# EAGLE board RedBoard-Panel (EAGLE 9.6.2), part 4 of 6
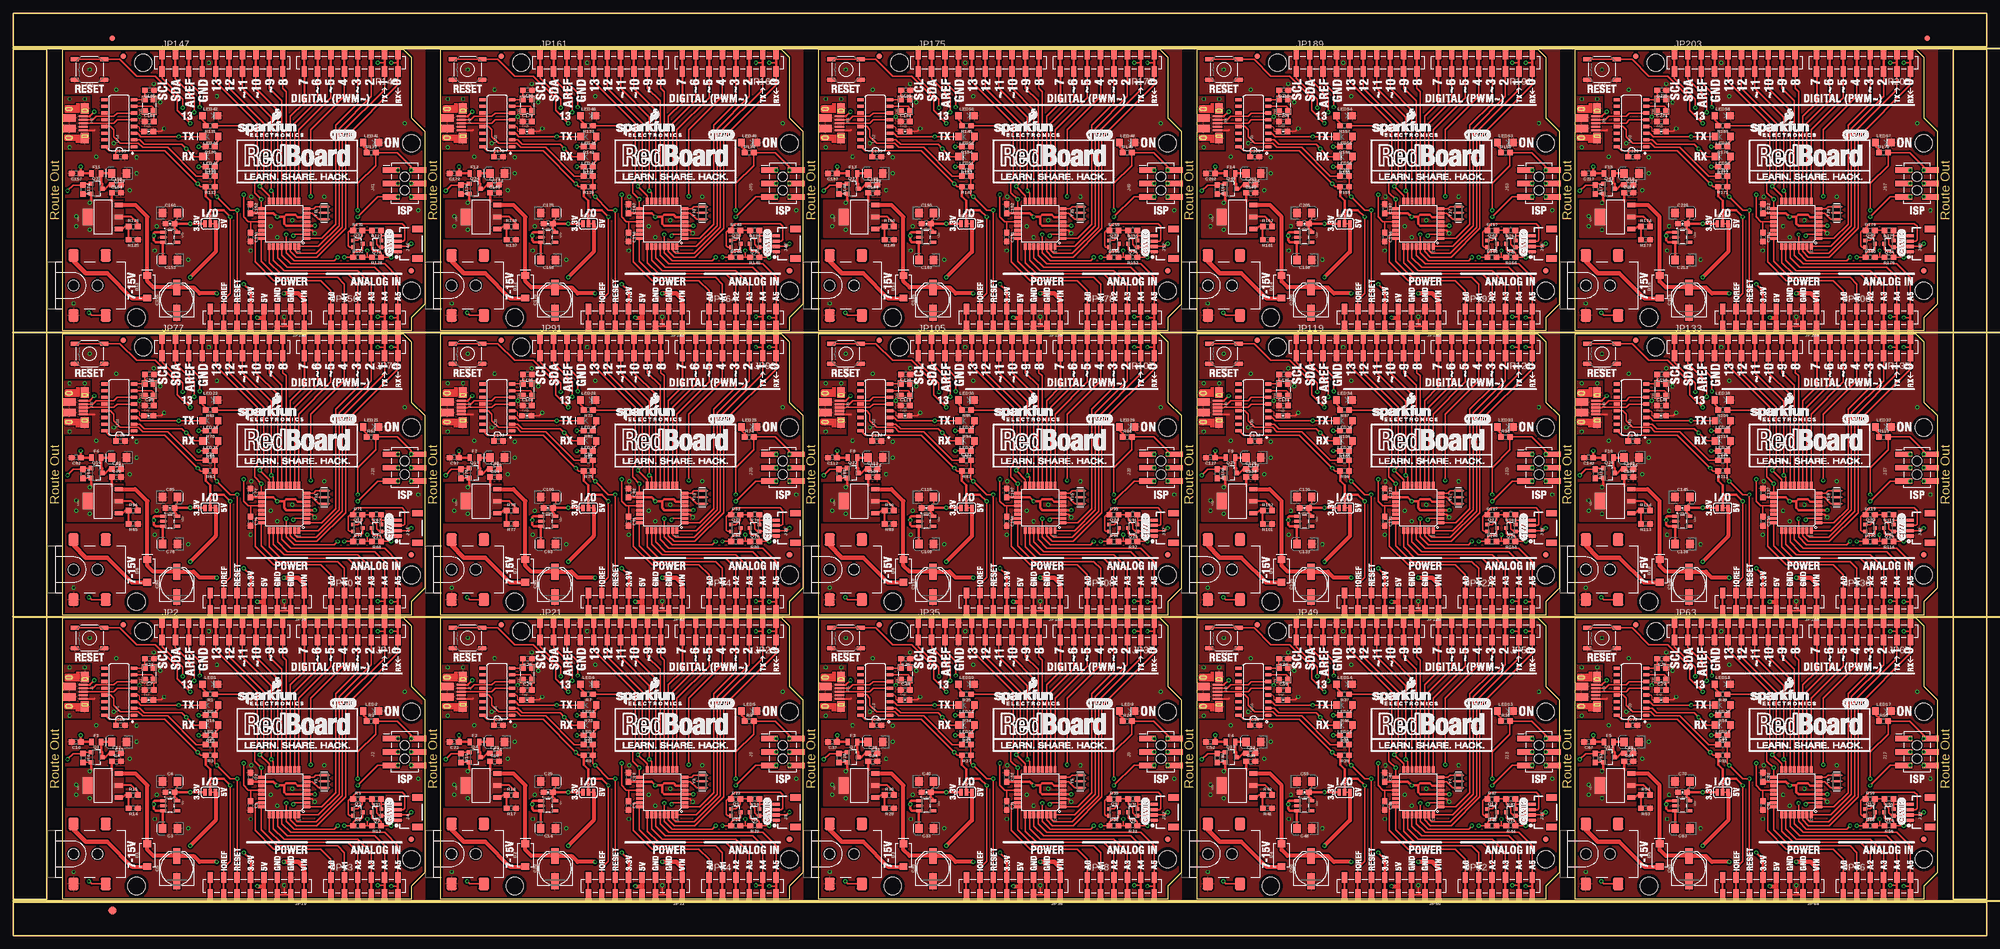
[diagram p0: board, top side]
## Tracks (layer width: path | path; a pad name or v marks a point on that pad's centre or on a via) (continued)
GND7  (via drill 0.38, 0.38 pad 0.51) (continued)
  other vias: 157.73,110.24 217.42,100.08 193.29,78.49 180.34,111.51 196.09,81.66 202.18,86.11 188.34,86.11 154.69,65.91 181.86,105.16 219.96,83.57 170.43,80.52 170.05,75.95 218.69,86.11 159,93.73 166.62,90.55 166.62,93.6 165.35,87.38 162.31,96.27 162.81,106.43 176.4,74.17 188.21,75.95 192.02,80.52 169.9,107.49 171.09,104.06 167.18,101.32
  pour Top (isolate 0.305, rank 2): 152.65,114.05 221.23,114.05 221.23,60.71 152.65,60.71
  pour Bottom (isolate 0.305, rank 2): 152.65,114.05 221.23,114.05 221.23,60.71 152.65,60.71
GND8  (via drill 0.38, 0.38 pad 0.51)
  Top 0.254: 267.46,61.6 266.7,61.6 266.51,61.79 266.19,62.1 v266.19,63.37 | v243.46,99.06 242.9,98.5 C132.2
  Top 0.305: U34.3 271.46,79.83 v272.03,79.25 | JP120.3 266.32,61.6 266.51,61.79
  Top 0.381: J35.GND 230.32,98.75
  other vias: 229.36,110.24 289.05,100.08 264.92,78.49 251.97,111.51 267.72,81.66 273.81,86.11 259.97,86.11 226.31,65.91 253.49,105.16 291.59,83.57 242.06,80.52 241.68,75.95 290.32,86.11 230.63,93.73 238.25,90.55 238.25,93.6 236.98,87.38 233.93,96.27 234.44,106.43 248.03,74.17 259.84,75.95 263.65,80.52 241.53,107.49 242.72,104.06 238.81,101.32
  pour Top (isolate 0.305, rank 2): 224.28,114.05 292.86,114.05 292.86,60.71 224.28,60.71
  pour Bottom (isolate 0.305, rank 2): 224.28,114.05 292.86,114.05 292.86,60.71 224.28,60.71
GND9  (via drill 0.38, 0.38 pad 0.51)
  Top 0.254: 339.09,61.6 338.33,61.6 338.14,61.79 337.82,62.1 v337.82,63.37 | v315.09,99.06 314.53,98.5 C147.2
  Top 0.305: U38.3 343.08,79.83 v343.66,79.25 | JP134.3 337.95,61.6 338.14,61.79
  Top 0.381: J39.GND 301.95,98.75
  other vias: 300.99,110.24 360.68,100.08 336.55,78.49 323.6,111.51 339.34,81.66 345.44,86.11 331.6,86.11 297.94,65.91 325.12,105.16 363.22,83.57 313.69,80.52 313.31,75.95 361.95,86.11 302.26,93.73 309.88,90.55 309.88,93.6 308.61,87.38 305.56,96.27 306.07,106.43 319.66,74.17 331.47,75.95 335.28,80.52 313.16,107.49 314.35,104.06 310.44,101.32
  pour Top (isolate 0.305, rank 2): 295.91,114.05 364.49,114.05 364.49,60.71 295.91,60.71
  pour Bottom (isolate 0.305, rank 2): 295.91,114.05 364.49,114.05 364.49,60.71 295.91,60.71
GND10  (via drill 0.38, 0.38 pad 0.51)
  Top 0.254: 52.58,115.44 51.81,115.44 51.62,115.63 51.31,115.95 v51.31,117.22 | v28.57,152.91 28.02,152.35 C162.2
  Top 0.305: U42.3 56.57,133.67 v57.15,133.1 | JP148.3 51.44,115.44 51.62,115.63
  Top 0.381: J43.GND 15.43,152.59
  other vias: 14.48,164.08 74.17,153.92 50.04,132.33 37.08,165.35 52.83,135.51 58.93,139.95 45.08,139.95 11.43,119.76 38.61,159 76.71,137.41 27.18,134.37 26.8,129.79 75.44,139.95 15.75,147.57 23.37,144.4 23.37,147.45 22.1,141.22 19.05,150.11 19.56,160.27 33.15,128.02 44.96,129.79 48.77,134.37 26.64,161.34 27.84,157.91 23.93,155.17
  pour Top (isolate 0.305, rank 2): 9.4,167.89 77.98,167.89 77.98,114.55 9.4,114.55
  pour Bottom (isolate 0.305, rank 2): 9.4,167.89 77.98,167.89 77.98,114.55 9.4,114.55
GND11  (via drill 0.38, 0.38 pad 0.51)
  Top 0.254: 124.21,115.44 123.44,115.44 123.25,115.63 122.94,115.95 v122.94,117.22 | v100.2,152.91 99.64,152.35 C177.2
  Top 0.305: U46.3 128.2,133.67 v128.78,133.1 | JP162.3 123.06,115.44 123.25,115.63
  Top 0.381: J47.GND 87.06,152.59
  other vias: 86.11,164.08 145.8,153.92 121.67,132.33 108.71,165.35 124.46,135.51 130.56,139.95 116.71,139.95 83.06,119.76 110.24,159 148.34,137.41 98.81,134.37 98.42,129.79 147.07,139.95 87.38,147.57 95,144.4 95,147.45 93.73,141.22 90.68,150.11 91.19,160.27 104.77,128.02 116.59,129.79 120.4,134.37 98.27,161.34 99.47,157.91 95.55,155.17
  pour Top (isolate 0.305, rank 2): 81.03,167.89 149.61,167.89 149.61,114.55 81.03,114.55
  pour Bottom (isolate 0.305, rank 2): 81.03,167.89 149.61,167.89 149.61,114.55 81.03,114.55
GND12  (via drill 0.38, 0.38 pad 0.51)
  Top 0.254: 195.83,115.44 195.07,115.44 194.88,115.63 194.56,115.95 v194.56,117.22 | v171.83,152.91 171.27,152.35 C192.2
  Top 0.305: U50.3 199.83,133.67 v200.41,133.1 | JP176.3 194.69,115.44 194.88,115.63
  Top 0.381: J51.GND 158.69,152.59
  other vias: 157.73,164.08 217.42,153.92 193.29,132.33 180.34,165.35 196.09,135.51 202.18,139.95 188.34,139.95 154.69,119.76 181.86,159 219.96,137.41 170.43,134.37 170.05,129.79 218.69,139.95 159,147.57 166.62,144.4 166.62,147.45 165.35,141.22 162.31,150.11 162.81,160.27 176.4,128.02 188.21,129.79 192.02,134.37 169.9,161.34 171.09,157.91 167.18,155.17
  pour Top (isolate 0.305, rank 2): 152.65,167.89 221.23,167.89 221.23,114.55 152.65,114.55
  pour Bottom (isolate 0.305, rank 2): 152.65,167.89 221.23,167.89 221.23,114.55 152.65,114.55
GND13  (via drill 0.38, 0.38 pad 0.51)
  Top 0.254: 267.46,115.44 266.7,115.44 266.51,115.63 266.19,115.95 v266.19,117.22 | v243.46,152.91 242.9,152.35 C207.2
  Top 0.305: U54.3 271.46,133.67 v272.03,133.1 | JP190.3 266.32,115.44 266.51,115.63
  Top 0.381: J55.GND 230.32,152.59
  other vias: 229.36,164.08 289.05,153.92 264.92,132.33 251.97,165.35 267.72,135.51 273.81,139.95 259.97,139.95 226.31,119.76 253.49,159 291.59,137.41 242.06,134.37 241.68,129.79 290.32,139.95 230.63,147.57 238.25,144.4 238.25,147.45 236.98,141.22 233.93,150.11 234.44,160.27 248.03,128.02 259.84,129.79 263.65,134.37 241.53,161.34 242.72,157.91 238.81,155.17
  pour Top (isolate 0.305, rank 2): 224.28,167.89 292.86,167.89 292.86,114.55 224.28,114.55
  pour Bottom (isolate 0.305, rank 2): 224.28,167.89 292.86,167.89 292.86,114.55 224.28,114.55
GND14  (via drill 0.38, 0.38 pad 0.51)
  Top 0.254: 339.09,115.44 338.33,115.44 338.14,115.63 337.82,115.95 v337.82,117.22 | v315.09,152.91 314.53,152.35 C222.2
  Top 0.305: U58.3 343.08,133.67 v343.66,133.1 | JP204.3 337.95,115.44 338.14,115.63
  Top 0.381: J59.GND 301.95,152.59
  other vias: 300.99,164.08 360.68,153.92 336.55,132.33 323.6,165.35 339.34,135.51 345.44,139.95 331.6,139.95 297.94,119.76 325.12,159 363.22,137.41 313.69,134.37 313.31,129.79 361.95,139.95 302.26,147.57 309.88,144.4 309.88,147.45 308.61,141.22 305.56,150.11 306.07,160.27 319.66,128.02 331.47,129.79 335.28,134.37 313.16,161.34 314.35,157.91 310.44,155.17
  pour Top (isolate 0.305, rank 2): 295.91,167.89 364.49,167.89 364.49,114.55 295.91,114.55
  pour Bottom (isolate 0.305, rank 2): 295.91,167.89 364.49,167.89 364.49,114.55 295.91,114.55
INSERT  (via drill 0.38)
  Top 0.305: J3.P$4 14.84,9.79 v14.35,10.29 | Q1.1 13.43,34.73 R4.1 11.39,34.5 v10.29,33.4
  Bottom 0.305: v14.35,10.29 14.35,19.18 10.29,23.24 v10.29,33.4
INSERT1  (via drill 0.38)
  Top 0.305: J6.P$4 86.47,9.79 v85.98,10.29 | Q4.1 85.06,34.73 R10.1 83.02,34.5 v81.91,33.4
  Bottom 0.305: v85.98,10.29 85.98,19.18 81.91,23.24 v81.91,33.4
INSERT2  (via drill 0.38)
  Top 0.305: J10.P$4 158.1,9.79 v157.61,10.29 | Q7.1 156.69,34.73 R28.1 154.65,34.5 v153.54,33.4
  Bottom 0.305: v157.61,10.29 157.61,19.18 153.54,23.24 v153.54,33.4
INSERT3  (via drill 0.38)
  Top 0.305: J14.P$4 229.73,9.79 v229.23,10.29 | Q10.1 228.32,34.73 R40.1 226.28,34.5 v225.17,33.4
  Bottom 0.305: v229.23,10.29 229.23,19.18 225.17,23.24 v225.17,33.4
INSERT4  (via drill 0.38)
  Top 0.305: J18.P$4 301.36,9.79 v300.86,10.29 | Q13.1 299.95,34.73 R52.1 297.9,34.5 v296.8,33.4
  Bottom 0.305: v300.86,10.29 300.86,19.18 296.8,23.24 v296.8,33.4
INSERT5  (via drill 0.38)
  Top 0.305: J22.P$4 14.84,63.64 v14.35,64.14 | Q16.1 13.43,88.58 R64.1 11.39,88.35 v10.29,87.25
  Bottom 0.305: v14.35,64.14 14.35,73.03 10.29,77.09 v10.29,87.25
INSERT6  (via drill 0.38)
  Top 0.305: J26.P$4 86.47,63.64 v85.98,64.14 | Q19.1 85.06,88.58 R76.1 83.02,88.35 v81.91,87.25
  Bottom 0.305: v85.98,64.14 85.98,73.03 81.91,77.09 v81.91,87.25
INSERT7  (via drill 0.38)
  Top 0.305: J30.P$4 158.1,63.64 v157.61,64.14 | Q22.1 156.69,88.58 R88.1 154.65,88.35 v153.54,87.25
  Bottom 0.305: v157.61,64.14 157.61,73.03 153.54,77.09 v153.54,87.25
INSERT8  (via drill 0.38)
  Top 0.305: J34.P$4 229.73,63.64 v229.23,64.14 | Q25.1 228.32,88.58 R100.1 226.28,88.35 v225.17,87.25
  Bottom 0.305: v229.23,64.14 229.23,73.03 225.17,77.09 v225.17,87.25
INSERT9  (via drill 0.38)
  Top 0.305: J38.P$4 301.36,63.64 v300.86,64.14 | Q28.1 299.95,88.58 R112.1 297.9,88.35 v296.8,87.25
  Bottom 0.305: v300.86,64.14 300.86,73.03 296.8,77.09 v296.8,87.25
INSERT10  (via drill 0.38)
  Top 0.305: J42.P$4 14.84,117.49 v14.35,117.98 | Q31.1 13.43,142.43 R124.1 11.39,142.2 v10.29,141.1
  Bottom 0.305: v14.35,117.98 14.35,126.87 10.29,130.94 v10.29,141.1
INSERT11  (via drill 0.38)
  Top 0.305: J46.P$4 86.47,117.49 v85.98,117.98 | Q34.1 85.06,142.43 R136.1 83.02,142.2 v81.91,141.1
  Bottom 0.305: v85.98,117.98 85.98,126.87 81.91,130.94 v81.91,141.1
INSERT12  (via drill 0.38)
  Top 0.305: J50.P$4 158.1,117.49 v157.61,117.98 | Q37.1 156.69,142.43 R148.1 154.65,142.2 v153.54,141.1
  Bottom 0.305: v157.61,117.98 157.61,126.87 153.54,130.94 v153.54,141.1
INSERT13  (via drill 0.38)
  Top 0.305: J54.P$4 229.73,117.49 v229.23,117.98 | Q40.1 228.32,142.43 R160.1 226.28,142.2 v225.17,141.1
  Bottom 0.305: v229.23,117.98 229.23,126.87 225.17,130.94 v225.17,141.1
INSERT14  (via drill 0.38)
  Top 0.305: J58.P$4 301.36,117.49 v300.86,117.98 | Q43.1 299.95,142.43 R172.1 297.9,142.2 v296.8,141.1
  Bottom 0.305: v300.86,117.98 300.86,126.87 296.8,130.94 v296.8,141.1
IO1
  Top 0.254: JP23.3B JP23.3A
  Top 0.305: JP23.3A 139.45,51.31 133.35,45.21 133.35,26.8 129.44,22.89 U6.32
IO2
  Top 0.254: JP11.3B JP11.3A
  Top 0.305: JP11.3A 67.82,51.31 61.72,45.21 61.72,26.8 57.81,22.89 U4.32
IO3
  Top 0.254: JP11.4A 65.28,56.39 | JP11.4B 65.28,55.12
  Top 0.305: 65.28,56.39 65.28,55.12 65.28,50.04 61.09,45.85 61.09,27.05 58.42,24.38 58.17,24.38 58.16,24.38 U4.1
IO4  (via drill 0.38)
  Top 0.254: JP11.5B JP11.5A
  Top 0.305: v56.39,32.38 56.39,44.96 62.74,51.31 JP11.5A | U4.2 53.34,25.18 v53.09,24.92
  Bottom 0.305: v53.09,24.92 56.39,28.23 v56.39,32.38
IO5
  Top 0.254: JP11.6A JP11.6B
  Top 0.305: U4.9 54.11,44.96 60.2,51.05 JP11.6B
IO6
  Top 0.254: 57.66,50.58 JP11.7A JP11.7B
  Top 0.305: U4.10 53.31,46.23 57.66,50.58
IO7
  Top 0.254: JP11.8A 55.12,56.39 JP11.8B
  Top 0.305: U4.11 52.51,47.5 55.12,50.11
  Top 0.356: 55.12,56.39 55.12,50.11
IO8
  Top 0.254: JP2.10A JP2.10B
  Top 0.305: U4.12 51.71,52.18 51.05,52.83 JP2.10B
IO9
  Top 0.254: JP2.9A JP2.9B
  Top 0.305: U4.13 50.91,50.44 48.51,52.83 JP2.9B
IO10
  Top 0.254: JP23.4A 136.91,56.39 | JP23.4B 136.91,55.12
  Top 0.305: 136.91,56.39 136.91,55.12 136.91,50.04 132.72,45.85 132.72,27.05 130.05,24.38 129.79,24.38 U6.1
IO11  (via drill 0.38)
  Top 0.254: JP23.5B JP23.5A
  Top 0.305: v128.02,32.38 128.02,44.96 134.37,51.31 JP23.5A | U6.2 124.97,25.18 v124.71,24.92
  Bottom 0.305: v124.71,24.92 128.02,28.23 v128.02,32.38
IO12
  Top 0.254: JP23.6A JP23.6B
  Top 0.305: U6.9 125.74,44.96 131.83,51.05 JP23.6B
IO13
  Top 0.254: 129.29,50.58 JP23.7A JP23.7B
  Top 0.305: U6.10 124.94,46.23 129.29,50.58
IO14
  Top 0.254: JP23.8A 126.75,56.39 JP23.8B
  Top 0.305: U6.11 124.14,47.5 126.75,50.11
  Top 0.356: 126.75,56.39 126.75,50.11
IO15
  Top 0.254: JP21.10A JP21.10B
  Top 0.305: U6.12 123.34,52.18 122.68,52.83 JP21.10B
IO16
  Top 0.254: JP21.9A JP21.9B
  Top 0.305: U6.13 122.54,50.44 120.14,52.83 JP21.9B
IO17
  Top 0.254: JP37.3B JP37.3A
  Top 0.305: JP37.3A 211.07,51.31 204.98,45.21 204.98,26.8 201.07,22.89 U10.32
IO18
  Top 0.254: JP37.4A 208.53,56.39 | JP37.4B 208.53,55.12
  Top 0.305: 208.53,56.39 208.53,55.12 208.53,50.04 204.34,45.85 204.34,27.05 201.68,24.38 201.42,24.38 U10.1
IO19  (via drill 0.38)
  Top 0.254: JP37.5B JP37.5A
  Top 0.305: v199.64,32.38 199.64,44.96 205.99,51.31 JP37.5A | U10.2 196.6,25.18 v196.34,24.92
  Bottom 0.305: v196.34,24.92 199.64,28.23 v199.64,32.38
IO20
  Top 0.254: JP37.6A JP37.6B
  Top 0.305: U10.9 197.36,44.96 203.45,51.05 JP37.6B
IO21
  Top 0.254: 200.91,50.58 JP37.7A JP37.7B
  Top 0.305: U10.10 196.56,46.23 200.91,50.58
IO22
  Top 0.254: JP37.8A 198.37,56.39 JP37.8B
  Top 0.305: U10.11 195.76,47.5 198.37,50.11
  Top 0.356: 198.37,56.39 198.37,50.11
IO23
  Top 0.254: JP35.10A JP35.10B
  Top 0.305: U10.12 194.96,52.18 194.31,52.83 JP35.10B
IO24
  Top 0.254: JP35.9A JP35.9B
  Top 0.305: U10.13 194.16,50.44 191.77,52.83 JP35.9B
IO25
  Top 0.254: JP51.3B JP51.3A
  Top 0.305: JP51.3A 282.7,51.31 276.61,45.21 276.61,26.8 272.69,22.89 U14.32
IO26
  Top 0.254: JP51.4A 280.16,56.39 | JP51.4B 280.16,55.12
  Top 0.305: 280.16,56.39 280.16,55.12 280.16,50.04 275.97,45.85 275.97,27.05 273.3,24.38 273.05,24.38 273.04,24.38 U14.1
IO27  (via drill 0.38)
  Top 0.254: JP51.5B JP51.5A
  Top 0.305: v271.27,32.38 271.27,44.96 277.62,51.31 JP51.5A | U14.2 268.22,25.18 v267.97,24.92
  Bottom 0.305: v267.97,24.92 271.27,28.23 v271.27,32.38
IO28
  Top 0.254: JP51.6A JP51.6B
  Top 0.305: U14.9 268.99,44.96 275.08,51.05 JP51.6B
IO29
  Top 0.254: 272.54,50.58 JP51.7A JP51.7B
  Top 0.305: U14.10 268.19,46.23 272.54,50.58
IO30
  Top 0.254: JP51.8A 270,56.39 JP51.8B
  Top 0.305: U14.11 267.39,47.5 270,50.11
  Top 0.356: 270,56.39 270,50.11
IO31
  Top 0.254: JP49.10A JP49.10B
  Top 0.305: U14.12 266.59,52.18 265.94,52.83 JP49.10B
IO32
  Top 0.254: JP49.9A JP49.9B
  Top 0.305: U14.13 265.79,50.44 263.4,52.83 JP49.9B
IO33
  Top 0.254: JP65.3B JP65.3A
  Top 0.305: JP65.3A 354.33,51.31 348.23,45.21 348.23,26.8 344.32,22.89 U18.32
IO34
  Top 0.254: JP65.4A 351.79,56.39 | JP65.4B 351.79,55.12
  Top 0.305: 351.79,56.39 351.79,55.12 351.79,50.04 347.6,45.85 347.6,27.05 344.93,24.38 344.68,24.38 344.67,24.38 U18.1
IO35  (via drill 0.38)
  Top 0.254: JP65.5B JP65.5A
  Top 0.305: v342.9,32.38 342.9,44.96 349.25,51.31 JP65.5A | U18.2 339.85,25.18 v339.6,24.92
  Bottom 0.305: v339.6,24.92 342.9,28.23 v342.9,32.38
IO36
  Top 0.254: JP65.6A JP65.6B
  Top 0.305: U18.9 340.62,44.96 346.71,51.05 JP65.6B
IO37
  Top 0.254: 344.17,50.58 JP65.7A JP65.7B
  Top 0.305: U18.10 339.82,46.23 344.17,50.58
IO38
  Top 0.254: JP65.8A 341.63,56.39 JP65.8B
  Top 0.305: U18.11 339.02,47.5 341.63,50.11
  Top 0.356: 341.63,56.39 341.63,50.11
IO39
  Top 0.254: JP63.10A JP63.10B
  Top 0.305: U18.12 338.22,52.18 337.57,52.83 JP63.10B
IO40
  Top 0.254: JP63.9A JP63.9B
  Top 0.305: U18.13 337.42,50.44 335.03,52.83 JP63.9B
IO41
  Top 0.254: JP79.3B JP79.3A
  Top 0.305: JP79.3A 67.82,105.16 61.72,99.06 61.72,80.65 57.81,76.73 U22.32
IO42
  Top 0.254: JP79.4A 65.28,110.24 | JP79.4B 65.28,108.97
  Top 0.305: 65.28,110.24 65.28,108.97 65.28,103.89 61.09,99.7 61.09,80.9 58.42,78.23 58.17,78.23 58.16,78.23 U22.1
IO43  (via drill 0.38)
  Top 0.254: JP79.5B JP79.5A
  Top 0.305: v56.39,86.23 56.39,98.81 62.74,105.16 JP79.5A | U22.2 53.34,79.03 v53.09,78.77
  Bottom 0.305: v53.09,78.77 56.39,82.07 v56.39,86.23
IO44
  Top 0.254: JP79.6A JP79.6B
  Top 0.305: U22.9 54.11,98.81 60.2,104.9 JP79.6B
IO45
  Top 0.254: 57.66,104.43 JP79.7A JP79.7B
  Top 0.305: U22.10 53.31,100.08 57.66,104.43
IO46
  Top 0.254: JP79.8A 55.12,110.24 JP79.8B
  Top 0.305: U22.11 52.51,101.35 55.12,103.96
  Top 0.356: 55.12,110.24 55.12,103.96
IO47
  Top 0.254: JP77.10A JP77.10B
  Top 0.305: U22.12 51.71,106.03 51.05,106.68 JP77.10B
IO48
  Top 0.254: JP77.9A JP77.9B
  Top 0.305: U22.13 50.91,104.29 48.51,106.68 JP77.9B
IO49
  Top 0.254: JP93.3B JP93.3A
  Top 0.305: JP93.3A 139.45,105.16 133.35,99.06 133.35,80.65 129.44,76.73 U26.32
IO50
  Top 0.254: JP93.4A 136.91,110.24 | JP93.4B 136.91,108.97
  Top 0.305: 136.91,110.24 136.91,108.97 136.91,103.89 132.72,99.7 132.72,80.9 130.05,78.23 129.79,78.23 U26.1
IO51  (via drill 0.38)
  Top 0.254: JP93.5B JP93.5A
  Top 0.305: v128.02,86.23 128.02,98.81 134.37,105.16 JP93.5A | U26.2 124.97,79.03 v124.71,78.77
  Bottom 0.305: v124.71,78.77 128.02,82.07 v128.02,86.23
IO52
  Top 0.254: JP93.6A JP93.6B
  Top 0.305: U26.9 125.74,98.81 131.83,104.9 JP93.6B
IO53
  Top 0.254: 129.29,104.43 JP93.7A JP93.7B
  Top 0.305: U26.10 124.94,100.08 129.29,104.43
IO54
  Top 0.254: JP93.8A 126.75,110.24 JP93.8B
  Top 0.305: U26.11 124.14,101.35 126.75,103.96
  Top 0.356: 126.75,110.24 126.75,103.96
IO55
  Top 0.254: JP91.10A JP91.10B
  Top 0.305: U26.12 123.34,106.03 122.68,106.68 JP91.10B
IO56
  Top 0.254: JP91.9A JP91.9B
  Top 0.305: U26.13 122.54,104.29 120.14,106.68 JP91.9B
IO57
  Top 0.254: JP107.3B JP107.3A
  Top 0.305: JP107.3A 211.07,105.16 204.98,99.06 204.98,80.65 201.07,76.73 U30.32
IO58
  Top 0.254: JP107.4A 208.53,110.24 | JP107.4B 208.53,108.97
  Top 0.305: 208.53,110.24 208.53,108.97 208.53,103.89 204.34,99.7 204.34,80.9 201.68,78.23 201.42,78.23 U30.1
IO59  (via drill 0.38)
  Top 0.254: JP107.5B JP107.5A
  Top 0.305: v199.64,86.23 199.64,98.81 205.99,105.16 JP107.5A | U30.2 196.6,79.03 v196.34,78.77
  Bottom 0.305: v196.34,78.77 199.64,82.07 v199.64,86.23
IO60
  Top 0.254: JP107.6A JP107.6B
  Top 0.305: U30.9 197.36,98.81 203.45,104.9 JP107.6B
IO61
  Top 0.254: 200.91,104.43 JP107.7A JP107.7B
  Top 0.305: U30.10 196.56,100.08 200.91,104.43
IO62
  Top 0.254: JP107.8A 198.37,110.24 JP107.8B
  Top 0.305: U30.11 195.76,101.35 198.37,103.96
  Top 0.356: 198.37,110.24 198.37,103.96
IO63
  Top 0.254: JP105.10A JP105.10B
  Top 0.305: U30.12 194.96,106.03 194.31,106.68 JP105.10B
IO64
  Top 0.254: JP105.9A JP105.9B
  Top 0.305: U30.13 194.16,104.29 191.77,106.68 JP105.9B
IO65
  Top 0.254: JP121.3B JP121.3A
  Top 0.305: JP121.3A 282.7,105.16 276.61,99.06 276.61,80.65 272.69,76.73 U34.32
IO66
  Top 0.254: JP121.4A 280.16,110.24 | JP121.4B 280.16,108.97
  Top 0.305: 280.16,110.24 280.16,108.97 280.16,103.89 275.97,99.7 275.97,80.9 273.3,78.23 273.05,78.23 273.04,78.23 U34.1
IO67  (via drill 0.38)
  Top 0.254: JP121.5B JP121.5A
  Top 0.305: v271.27,86.23 271.27,98.81 277.62,105.16 JP121.5A | U34.2 268.22,79.03 v267.97,78.77
  Bottom 0.305: v267.97,78.77 271.27,82.07 v271.27,86.23
IO68
  Top 0.254: JP121.6A JP121.6B
  Top 0.305: U34.9 268.99,98.81 275.08,104.9 JP121.6B
IO69
  Top 0.254: 272.54,104.43 JP121.7A JP121.7B
  Top 0.305: U34.10 268.19,100.08 272.54,104.43
IO70
  Top 0.254: JP121.8A 270,110.24 JP121.8B
  Top 0.305: U34.11 267.39,101.35 270,103.96
  Top 0.356: 270,110.24 270,103.96
IO71
  Top 0.254: JP119.10A JP119.10B
  Top 0.305: U34.12 266.59,106.03 265.94,106.68 JP119.10B
IO72
  Top 0.254: JP119.9A JP119.9B
  Top 0.305: U34.13 265.79,104.29 263.4,106.68 JP119.9B
IO73
  Top 0.254: JP135.3B JP135.3A
  Top 0.305: JP135.3A 354.33,105.16 348.23,99.06 348.23,80.65 344.32,76.73 U38.32
IO74
  Top 0.254: JP135.4A 351.79,110.24 | JP135.4B 351.79,108.97
  Top 0.305: 351.79,110.24 351.79,108.97 351.79,103.89 347.6,99.7 347.6,80.9 344.93,78.23 344.68,78.23 344.67,78.23 U38.1
IO75  (via drill 0.38)
  Top 0.254: JP135.5B JP135.5A
  Top 0.305: v342.9,86.23 342.9,98.81 349.25,105.16 JP135.5A | U38.2 339.85,79.03 v339.6,78.77
  Bottom 0.305: v339.6,78.77 342.9,82.07 v342.9,86.23
IO76
  Top 0.254: JP135.6A JP135.6B
  Top 0.305: U38.9 340.62,98.81 346.71,104.9 JP135.6B
IO77
  Top 0.254: 344.17,104.43 JP135.7A JP135.7B
  Top 0.305: U38.10 339.82,100.08 344.17,104.43
IO78
  Top 0.254: JP135.8A 341.63,110.24 JP135.8B
  Top 0.305: U38.11 339.02,101.35 341.63,103.96
  Top 0.356: 341.63,110.24 341.63,103.96
IO79
  Top 0.254: JP133.10A JP133.10B
  Top 0.305: U38.12 338.22,106.03 337.57,106.68 JP133.10B
IO80
  Top 0.254: JP133.9A JP133.9B
  Top 0.305: U38.13 337.42,104.29 335.03,106.68 JP133.9B
IO81
  Top 0.254: JP149.3B JP149.3A
  Top 0.305: JP149.3A 67.82,159 61.72,152.91 61.72,134.49 57.81,130.58 U42.32
IO82
  Top 0.254: JP149.4A 65.28,164.08 | JP149.4B 65.28,162.81
  Top 0.305: 65.28,164.08 65.28,162.81 65.28,157.73 61.09,153.54 61.09,134.75 58.42,132.08 58.17,132.08 58.16,132.07 U42.1
IO83  (via drill 0.38)
  Top 0.254: JP149.5B JP149.5A
  Top 0.305: v56.39,140.08 56.39,152.65 62.74,159 JP149.5A | U42.2 53.34,132.87 v53.09,132.62
  Bottom 0.305: v53.09,132.62 56.39,135.92 v56.39,140.08
IO84
  Top 0.254: JP149.6A JP149.6B
  Top 0.305: U42.9 54.11,152.65 60.2,158.74 JP149.6B
IO85
  Top 0.254: 57.66,158.27 JP149.7A JP149.7B
  Top 0.305: U42.10 53.31,153.92 57.66,158.27
IO86
  Top 0.254: JP149.8A 55.12,164.08 JP149.8B
  Top 0.305: U42.11 52.51,155.19 55.12,157.8
  Top 0.356: 55.12,164.08 55.12,157.8
IO87
  Top 0.254: JP147.10A JP147.10B
  Top 0.305: U42.12 51.71,159.87 51.05,160.53 JP147.10B
IO88
  Top 0.254: JP147.9A JP147.9B
  Top 0.305: U42.13 50.91,158.13 48.51,160.53 JP147.9B
IO89
  Top 0.254: JP163.3B JP163.3A
  Top 0.305: JP163.3A 139.45,159 133.35,152.91 133.35,134.49 129.44,130.58 U46.32
IO90
  Top 0.254: JP163.4A 136.91,164.08 | JP163.4B 136.91,162.81
  Top 0.305: 136.91,164.08 136.91,162.81 136.91,157.73 132.72,153.54 132.72,134.75 130.05,132.08 129.79,132.08 129.79,132.07 U46.1
IO91  (via drill 0.38)
  Top 0.254: JP163.5B JP163.5A
  Top 0.305: v128.02,140.08 128.02,152.65 134.37,159 JP163.5A | U46.2 124.97,132.87 v124.71,132.62
  Bottom 0.305: v124.71,132.62 128.02,135.92 v128.02,140.08
IO92
  Top 0.254: JP163.6A JP163.6B
  Top 0.305: U46.9 125.74,152.65 131.83,158.74 JP163.6B
IO93
  Top 0.254: 129.29,158.27 JP163.7A JP163.7B
  Top 0.305: U46.10 124.94,153.92 129.29,158.27
IO94
  Top 0.254: JP163.8A 126.75,164.08 JP163.8B
  Top 0.305: U46.11 124.14,155.19 126.75,157.8
  Top 0.356: 126.75,164.08 126.75,157.8
IO95
  Top 0.254: JP161.10A JP161.10B
  Top 0.305: U46.12 123.34,159.87 122.68,160.53 JP161.10B
IO96
  Top 0.254: JP161.9A JP161.9B
  Top 0.305: U46.13 122.54,158.13 120.14,160.53 JP161.9B
IO97
  Top 0.254: JP177.3B JP177.3A
  Top 0.305: JP177.3A 211.07,159 204.98,152.91 204.98,134.49 201.07,130.58 U50.32
IO98
  Top 0.254: JP177.4A 208.53,164.08 | JP177.4B 208.53,162.81
  Top 0.305: 208.53,164.08 208.53,162.81 208.53,157.73 204.34,153.54 204.34,134.75 201.68,132.08 201.42,132.08 201.42,132.07 U50.1
IO99  (via drill 0.38)
  Top 0.254: JP177.5B JP177.5A
  Top 0.305: v199.64,140.08 199.64,152.65 205.99,159 JP177.5A | U50.2 196.6,132.87 v196.34,132.62
  Bottom 0.305: v196.34,132.62 199.64,135.92 v199.64,140.08
IO100
  Top 0.254: JP177.6A JP177.6B
  Top 0.305: U50.9 197.36,152.65 203.45,158.74 JP177.6B
IO101
  Top 0.254: 200.91,158.27 JP177.7A JP177.7B
  Top 0.305: U50.10 196.56,153.92 200.91,158.27
IO102
  Top 0.254: JP177.8A 198.37,164.08 JP177.8B
  Top 0.305: U50.11 195.76,155.19 198.37,157.8
  Top 0.356: 198.37,164.08 198.37,157.8
IO103
  Top 0.254: JP175.10A JP175.10B
  Top 0.305: U50.12 194.96,159.87 194.31,160.53 JP175.10B
IO104
  Top 0.254: JP175.9A JP175.9B
  Top 0.305: U50.13 194.16,158.13 191.77,160.53 JP175.9B
IO105
  Top 0.254: JP191.3B JP191.3A
  Top 0.305: JP191.3A 282.7,159 276.61,152.91 276.61,134.49 272.69,130.58 U54.32
IO106
  Top 0.254: JP191.4A 280.16,164.08 | JP191.4B 280.16,162.81
  Top 0.305: 280.16,164.08 280.16,162.81 280.16,157.73 275.97,153.54 275.97,134.75 273.3,132.08 273.05,132.08 273.04,132.07 U54.1
IO107  (via drill 0.38)
  Top 0.254: JP191.5B JP191.5A
  Top 0.305: v271.27,140.08 271.27,152.65 277.62,159 JP191.5A | U54.2 268.22,132.87 v267.97,132.62
  Bottom 0.305: v267.97,132.62 271.27,135.92 v271.27,140.08
IO108
  Top 0.254: JP191.6A JP191.6B
  Top 0.305: U54.9 268.99,152.65 275.08,158.74 JP191.6B
IO109
  Top 0.254: 272.54,158.27 JP191.7A JP191.7B
  Top 0.305: U54.10 268.19,153.92 272.54,158.27
IO110
  Top 0.254: JP191.8A 270,164.08 JP191.8B
  Top 0.305: U54.11 267.39,155.19 270,157.8
  Top 0.356: 270,164.08 270,157.8
IO111
  Top 0.254: JP189.10A JP189.10B
  Top 0.305: U54.12 266.59,159.87 265.94,160.53 JP189.10B
IO112
  Top 0.254: JP189.9A JP189.9B
  Top 0.305: U54.13 265.79,158.13 263.4,160.53 JP189.9B
IO113
  Top 0.254: JP205.3B JP205.3A
  Top 0.305: JP205.3A 354.33,159 348.23,152.91 348.23,134.49 344.32,130.58 U58.32
IO114
  Top 0.254: JP205.4A 351.79,164.08 | JP205.4B 351.79,162.81
  Top 0.305: 351.79,164.08 351.79,162.81 351.79,157.73 347.6,153.54 347.6,134.75 344.93,132.08 344.68,132.08 344.67,132.07 U58.1
IO115  (via drill 0.38)
  Top 0.254: JP205.5B JP205.5A
  Top 0.305: v342.9,140.08 342.9,152.65 349.25,159 JP205.5A | U58.2 339.85,132.87 v339.6,132.62
  Bottom 0.305: v339.6,132.62 342.9,135.92 v342.9,140.08
IO116
  Top 0.254: JP205.6A JP205.6B
  Top 0.305: U58.9 340.62,152.65 346.71,158.74 JP205.6B
IO117
  Top 0.254: 344.17,158.27 JP205.7A JP205.7B
  Top 0.305: U58.10 339.82,153.92 344.17,158.27
IO118
  Top 0.254: JP205.8A 341.63,164.08 JP205.8B
  Top 0.305: U58.11 339.02,155.19 341.63,157.8
  Top 0.356: 341.63,164.08 341.63,157.8
IO119
  Top 0.254: JP203.10A JP203.10B
  Top 0.305: U58.12 338.22,159.87 337.57,160.53 JP203.10B
IO120
  Top 0.254: JP203.9A JP203.9B
  Top 0.305: U58.13 337.42,158.13 335.03,160.53 JP203.9B
LV_SCL
  Top 0.305: Q2.2 69.76,24.89 | 69.76,24.89 69.76,25.83 R11.1 | J4.4 69.78,24.87 69.76,24.89
LV_SCL1
  Top 0.305: Q5.2 141.39,24.89 | 141.39,24.89 141.39,25.83 R19.1 | J8.4 141.41,24.87 141.39,24.89
LV_SCL2
  Top 0.305: Q8.2 213.01,24.89 | 213.01,24.89 213.01,25.83 R31.1 | J12.4 213.04,24.87 213.01,24.89
LV_SCL3
  Top 0.305: Q11.2 284.64,24.89 | 284.64,24.89 284.64,25.83 R43.1 | J16.4 284.67,24.87 284.64,24.89
LV_SCL4
  Top 0.305: Q14.2 356.27,24.89 | 356.27,24.89 356.27,25.83 R55.1 | J20.4 356.3,24.87 356.27,24.89
LV_SCL5
  Top 0.305: Q17.2 69.76,78.74 | 69.76,78.74 69.76,79.68 R67.1 | J24.4 69.78,78.72 69.76,78.74